# Altium PCB CW521_BallisticGel.PcbDoc (part 1 of 3) (continued)
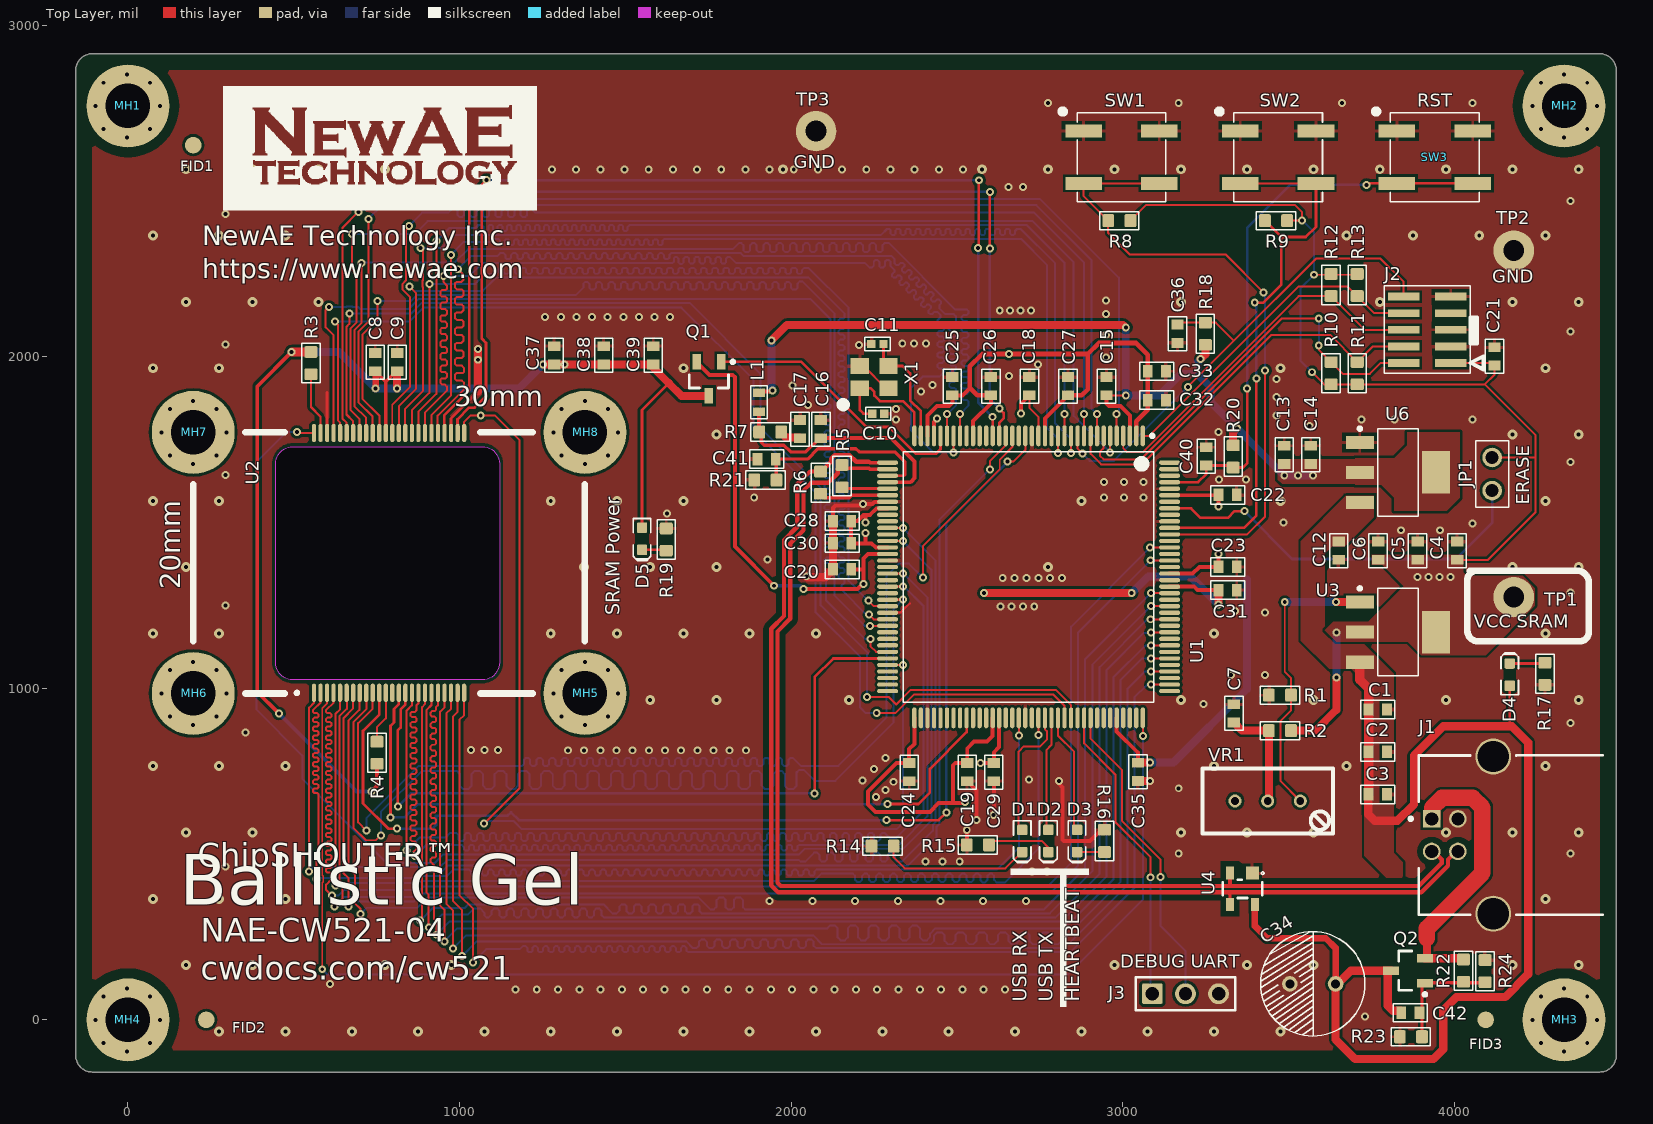
[diagram p0: Top Layer view]
## Footprints (in the part's own frame and the unit in brackets; to place one, negate y for a bottom-side part, rotate by r counter-clockwise, add the part's x,y. Pads: shape width x height; smd on the part's side, far side on the other; paste and mask are expansions set on the pad) (continued)
  silkscreen extent -1.5,-0.7 1.5,0.7, body extent -0.87,-0.47 0.88,0.48, height 0.54
SOT95P245X110-3M [mm] "SOT23, 3-Leads, Body 2.90x2.45mm, Pitch 0.95mm, IPC Low Density"
  rect 1.2x0.65 smd: 1(-1.3,0.95) 2(-1.3,-0.95) 3(1.3,0)
  silkscreen extent -1.42,-1.5 0.7,1.95, body extent -1.3,-1.5 1.3,1.5, height 1.1
SOT143B [mm] "SOT143, 4-Leads, Body 2.92x2.37mm, Pitch 1.90mm, IPC Medium Density"
  rect 1x1 smd: 1(-1.2,0.75)
  rect 1x0.6 smd: 2(-1.2,-0.95) 3(1.2,-0.95) 4(1.2,0.95)
  silkscreen extent -1.3,-1.5 0.7,1.65, body extent -1.18,-1.52 1.18,1.52, height 1.2
SOT-223 [mm] "SOT223, 4-Leads, Body 6.50x7.00mm (avg), Pitch 2.30mm, IPC Medium Density"
  rect 2.15x1 smd: 1(-2.925,2.3) 2(-2.925,0) 3(-2.925,-2.3)
  rect 2.15x3.25 smd: 4(2.925,0)
  silkscreen extent -3.05,-3.35 1.55,3.47, body extent -3.5,-3.35 3.5,3.35, height 1.8
TSSOP-48_0.5 [mm] "TSSOP, 48-Leads, Body 12.00x18.40mm, Pitch 0.50mm, IPC Low Density"
  oval 1.4x0.33 smd paste-0.064: 1(-9.95,5.75) 2(-9.95,5.25) 3(-9.95,4.75) 4(-9.95,4.25) 5(-9.95,3.75) 6(-9.95,3.25) 7(-9.95,2.75) 8(-9.95,2.25) 9(-9.95,1.75) 10(-9.95,1.25) 11(-9.95,0.75) 12(-9.95,0.25) 13(-9.95,-0.25) 14(-9.95,-0.75) 15(-9.95,-1.25) 16(-9.95,-1.75) 17(-9.95,-2.25) 18(-9.95,-2.75) 19(-9.95,-3.25) 20(-9.95,-3.75) 21(-9.95,-4.25) 22(-9.95,-4.75) 23(-9.95,-5.25) 24(-9.95,-5.75) 25(9.95,-5.75) 26(9.95,-5.25) 27(9.95,-4.75) 28(9.95,-4.25) 29(9.95,-3.75) 30(9.95,-3.25) 31(9.95,-2.75) 32(9.95,-2.25) 33(9.95,-1.75) 34(9.95,-1.25) 35(9.95,-0.75) 36(9.95,-0.25) 37(9.95,0.25) 38(9.95,0.75) 39(9.95,1.25) 40(9.95,1.75) 41(9.95,2.25) 42(9.95,2.75) 43(9.95,3.25) 44(9.95,3.75) 45(9.95,4.25) 46(9.95,4.75) 47(9.95,5.25) 48(9.95,5.75)
  silkscreen extent -10.08,6.94 -9.83,7.19, body extent -10,-6.05 10,6.05, height 1.2

## Part data
C1 C2 C3 C4 C5 C7 C9 C13 C14 C17 C33 C37 C38 C39: library part CCHIP-2u2-0603, "2u2, 0603", Case-EIA=0603, Case-Metric=1608, Manufacture 1=Samsung, Manufacture Part Number 1=CL10B225KP8NNNC, Supplier Part Number 1=1276-1134-2-ND, Component Group=Capacitor, Component Type=Standard, Mounting Technology=SMT, Part Number=CCHIP-2u2-0603, Pin Count=2, Supplier 1=Digi-Key
C6 C8 C12 C15 C16 C18 C19 C20 C21 C22 C23 C24 C25 C26 C27 C28 C29 C30 C31 C32 C35 C36 C40 C42: library part CCHIP-100n-0603, "100n, 0603", Case-EIA=0603, Case-Metric=1608, Manufacture 1=Kemet, Manufacture Part Number 1=C0603C104K5RACTU, Rated Voltage=50V, Supplier Part Number 1=399-5089-2-ND, Component Group=Capacitor, Component Type=Standard, Mounting Technology=SMT, Part Number=CCHIP-100n-0603, Pin Count=2, Supplier 1=Digi-Key
C10 C11: library part CCHIP-18p-0402, "18p, 0402", Case-EIA=0402, Manufacture Part Number 1=GRM1555C1H180JA01D, Component Group=Capacitor, Component Type=Standard, Mounting Technology=SMT, Part Number=CCHIP-18p-0402, Pin Count=2
C34: library part Cap_16v_680uF, "Aluminum electrolytic 680uF, 8x16mm, radial", Component Group=Capacitor, Component Type=Standard, Mounting Technology=Through-hole, Part Number=Cap_16v_680uF, Pin Count=2, PP Material Stack=0, PP Rotation=0
C41: library part CCHIP-10p-0603, "10p, 0603", Case-EIA=0603, Case-Metric=1608, Component Group=Capacitor, Component Type=Standard, Mounting Technology=SMT, Part Number=CCHIP-10p-0603, Pin Count=2
D1 D2: library part LEDCHIP_0603_RED, "Chip LED, Red", Manufacture 1=Kingbright, Manufacture Part Number 1=APT1608SRCPRV, Supplier Part Number 1=754-1122-1-ND, Component Group=Optical, Component Type=Standard, Mounting Technology=SMT, Part Number=LEDCHIP_0603_RED, Pin Count=2, PP Material Stack=15, PP Rotation=-90, Supplier 1=Digi-Key
D3 D4 D5: library part LEDCHIP_0603_GREEN, "Chip LED, Green", Manufacture 1=Kingbright, Manufacture Part Number 1=APT1608CGCK, Supplier Part Number 1=754-1116-1-ND, Component Group=Optical, Component Type=Standard, Mounting Technology=SMT, Part Number=LEDCHIP_0603_GREEN, Pin Count=2, PP Material Stack=16, PP Rotation=-90, Supplier 1=Digi-Key
FID1 FID2 FID3: "ROUND FIDUCIAL", Component Group="PCB Feature", Component Type="Standard (No BOM)", Part Number=FIDU-ROUND-1.0MM, Pin Count=0
J1: library part CMP-0397-00002-2, "Single USB 2.0, B Type, Right Angle Jack, Through Hole, RoHS, Tube", Manufacturer="FCI Electronics", Supplier Part Number 1=609-1039-ND, ComponentLink1Description="Manufacturer URL", ComponentLink1URL=http://portal.fciconnect.com/, ComponentLink2Description=Datasheet, ComponentLink2URL=http://portal.fciconnect.com/Comergent//fci/drawing/61729.pdf, ComponentLink3Description="Package Specification", ComponentLink3URL=http://portal.fciconnect.com/Comergent//fci/drawing/61729.pdf, Connector Type=USB-B, DatasheetVersion="Rev. V", Gender=Receptacle, Mounting Technology="Through Hole", Number of Contacts=4, PackageDescription="6-Pin, Through Hole, Body 12.2 x 16 mm", PackageReference=61729-0010BLF, Packing=Tube, PartNumber=61729-0010BLF, RoHS=TRUE, Specifications="USB 2.0", Supplier 1=Digi-Key
J2: library part Cortex_Debug_Header_10Pin, "10 Pin Cortex Program & Debug 0.5mm pitch", Manufacture 1="Samtec Inc", Manufacture Part Number 1=FTSH-105-01-L-DV-007-K, Supplier Part Number 1=SAM9438-ND, Component Group=Connector, Component Type=Standard, Mounting Technology=SMT, Part Number=Cortex_Debug_Header_10Pin, Pin Count=10, PP Material Stack=0, PP Rotation=0, RoHS=Yes, Supplier 1=Digi-Key
J3: library part HDR_3PIN, "1x3 Straight pin header", Manufacture 1="Wurth Electronics Inc.", Manufacture Part Number 1=61300311121, Supplier Part Number 1=732-5316-ND, Component Group=Connector, Component Type=Standard, Mounting Technology=Through-hole, Part Number=HDR_3PIN, Pin Count=3, PP Material Stack=0, PP Rotation=0, RoHS=Yes, Supplier 1=Digi-Key
JP1: library part 2_PIN_JUMPER, "1x2 2.54mm header, male pins", Manufacture 1=Harwin, Manufacture Part Number 1=M20-9990246, Supplier Part Number 1=952-2262-ND, Component Group="PCB Feature", Component Type=Standard, Mounting Technology=Through-hole, Part Number=2_PIN_JUMPER, Pin Count=2, PP Material Stack=0, PP Rotation=0, RoHS=Yes, Supplier 1=Digi-Key
L1: library part 10uH_0603, "FIXED IND 10UH 300MA 600 MOHM", Manufacture 1=TDK, Manufacture Part Number 1=MLZ1608N100LT000, Supplier Part Number 1=445-6755-1-ND, Component Group=Inductor, Component Type=Standard, Mounting Technology=SMT, Part Number=10uH_0603, Pin Count=2, PP Material Stack=0, PP Rotation=0, RoHS=Yes, Supplier 1=Digi-Key
MH1 MH2 MH3 MH4 MH5 MH6 MH7 MH8: library part M5_Mounting_Hole, "Machine screw #5 plated mounting hole", Component Group=Mechanical, Component Type=Mechanical, Part Number=M5_Mounting_Hole, Pin Count=1, PP Material Stack=0, PP Rotation=0
Q1 Q2: "P-Channel, 3A, Logic Level", Manufacture 1="Diodes Inc.", Supplier Part Number 1=DMP2123LQ-7DICT-ND, Component Group=MOSFET, Component Type=Standard, Manufacture Part Number 1=DMP2123LQ-7, Mounting Technology=SMT, Part Number=DMP2123LQ-7, Pin Count=3, Supplier 1=Digi-Key
R1: library part RCHIP-160R-0603, "160R res, 0603, 1%, 1/10W", Case-EIA=0603, Case-Metric=1608, Manufacture 1=Yageo, Manufacture Part Number 1=RC0603FR-07160RL, Rated Power=0.1W, Rated Voltage=75VDC, Supplier Part Number 1=311-160HRCT-ND, Temperature Range="-55C to 155C", Tolerance=1%, Component Group=Resistor, Component Type=Standard, Mounting Technology=SMT, Part Number=RCHIP-160R-0603, Pin Count=2, Supplier 1=Digi-Key
R2: library part RCHIP-100R-0603, "100R res, 0603, 1%, 1/10W", Case-EIA=0603, Case-Metric=1608, Manufacture 1=Yageo, Manufacture Part Number 1=RC0603FR-07100RL, Rated Power=0.1W, Rated Voltage=75VDC, Supplier Part Number 1=311-100HRCT-ND, Temperature Range="-55C to 155C", Tolerance=1%, Component Group=Resistor, Component Type=Standard, Mounting Technology=SMT, Part Number=RCHIP-100R-0603, Pin Count=2, Supplier 1=Digi-Key
R3 R4: library part RCHIP-1K-0603, "1k res, 0603, 1%, 1/10W", Case-EIA=0603, Case-Metric=1608, Manufacture 1=Yageo, Manufacture Part Number 1=RC0603FR-071KL, Rated Power=0.1W, Rated Voltage=75VDC, Supplier Part Number 1=311-1.00KHRCT-ND, Temperature Range="-55C to 155C", Tolerance=1%, Component Group=Resistor, Component Type=Standard, Mounting Technology=SMT, Part Number=RCHIP-1K-0603, Pin Count=2, Supplier 1=Digi-Key
R5 R6: library part RCHIP-39R-0603, "39R res, 0603, 1%, 1/10W", Case-EIA=0603, Case-Metric=1608, Manufacture 1=Yageo, Manufacture Part Number 1=RC0603FR-0739RL, Rated Power=0.1W, Rated Voltage=75VDC, Supplier Part Number 1=311-39.0HRCT-ND, Temperature Range="-55C to 155C", Tolerance=1%, Component Group=Resistor, Component Type=Standard, Mounting Technology=SMT, Part Number=RCHIP-39R-0603, Pin Count=2, Supplier 1=Digi-Key
R7: library part RCHIP-1R0-0603, "1R0 res, 0603, 1%, 1/10W", Case-EIA=0603, Case-Metric=1608, Manufacture 1=Yageo, Manufacture Part Number 1=RC0603FR-071RL, Rated Power=0.1W, Rated Voltage=75VDC, Supplier Part Number 1=311-1.00HRCT-ND, Temperature Range="-55C to 155C", Tolerance=1%, Component Group=Resistor, Component Type=Standard, Mounting Technology=SMT, Part Number=RCHIP-1R0-0603, Pin Count=2, Supplier 1=Digi-Key
R8 R9 R18 R20 R23 R24: library part RCHIP-10K-0603, "10k res, 0603, 1%, 1/10W", Case-EIA=0603, Case-Metric=1608, Manufacture 1=Yageo, Manufacture Part Number 1=RC0603FR-0710KL, Rated Power=0.1W, Rated Voltage=75VDC, Supplier Part Number 1=311-10.0KHRCT-ND, Temperature Range="-55C to 155C", Tolerance=1%, Component Group=Resistor, Component Type=Standard, Mounting Technology=SMT, Part Number=RCHIP-10K-0603, Pin Count=2, Supplier 1=Digi-Key
R10 R11 R12 R13 R22: library part RCHIP-100K-0603, "100k res, 0603, 1%, 1/10W", Case-EIA=0603, Case-Metric=1608, Manufacture 1=Yageo, Manufacture Part Number 1=RC0603FR-07100KL, Rated Power=0.1W, Rated Voltage=75VDC, Supplier Part Number 1=311-100KHRCT-ND, Temperature Range="-55C to 155C", Tolerance=1%, Component Group=Resistor, Component Type=Standard, Mounting Technology=SMT, Part Number=RCHIP-100K-0603, Pin Count=2, Supplier 1=Digi-Key
R14 R15 R16 R19: library part RCHIP-220R-0603, "220R res, 0603, 1%, 1/10W", Case-EIA=0603, Case-Metric=1608, Manufacture 1=Yageo, Manufacture Part Number 1=RC0603FR-07220RL, Rated Power=0.1W, Rated Voltage=75VDC, Supplier Part Number 1=311-220HRCT-ND, Temperature Range="-55C to 155C", Tolerance=1%, Component Group=Resistor, Component Type=Standard, Mounting Technology=SMT, Part Number=RCHIP-220R-0603, Pin Count=2, Supplier 1=Digi-Key
R17: library part RCHIP-330R-0603, "330R res, 0603, 1%, 1/10W", Case-EIA=0603, Case-Metric=1608, Manufacture 1=Yageo, Manufacture Part Number 1=RC0603FR-07330RL, Rated Power=0.1W, Rated Voltage=75VDC, Supplier Part Number 1=311-330HRCT-ND, Temperature Range="-55C to 155C", Tolerance=1%, Component Group=Resistor, Component Type=Standard, Mounting Technology=SMT, Part Number=RCHIP-330R-0603, Pin Count=2, Supplier 1=Digi-Key
R21: library part RCHIP-6K8-0603, "6k8 res, 0603, 1%, 1/10W", Case-EIA=0603, Case-Metric=1608, Manufacture 1=Yageo, Manufacture Part Number 1=RC0603FR-076K8L, Rated Power=0.1W, Rated Voltage=75VDC, Supplier Part Number 1=311-6.80KHRCT-ND, Temperature Range="-55C to 155C", Tolerance=1%, Component Group=Resistor, Component Type=Standard, Mounting Technology=SMT, Part Number=RCHIP-6K8-0603, Pin Count=2, Supplier 1=Digi-Key
SW1 SW2 SW3: library part TACTSW-KSC741J, "SWITCH TACTILE SPST-NO 0.01A 32V", Manufacture 1=C&K, Supplier Part Number 1=CKN10309CT-ND, Component Group=Switch, Component Type=Standard, Manufacture Part Number 1="KSC741J LFS", Mounting Technology=SMT, Part Number=TACTSW-KSC741J, Pin Count=4, PP Material Stack=0, PP Rotation=0, RoHS=Yes, Supplier 1=Digi-Key
TP1: library part KEYSTONE_5008, "TEST POINT PC COMPACT .063\"D ORG", Supplier Part Number 1=36-5008-ND, Component Group="Test Point", Component Type=Standard, Mounting Technology=Through-hole, Part Number=KEYSTONE_5008, Pin Count=1, Supplier 1=Digi-Key
TP2 TP3: library part KEYSTONE_5011, "TEST POINT PC MULTI PURPOSE BLK", Supplier Part Number 1=36-5011-ND, Component Group="Test Point", Component Type=Standard, Mounting Technology=Through-hole, Part Number=KEYSTONE_5011, Pin Count=1, Supplier 1=Digi-Key
U1: "IC MCU 32BIT 256KB FLASH 144LQFP", Manufacture 1=Microchip, Manufacture Part Number 1="ATSAM3U4EA-AU / ATSAM3U4EA-AU", Supplier Part Number 1=ATSAM3U4EA-AU-ND, Component Group="Digital IC", Component Type=Standard, Mounting Technology=SMT, Part Number=SAM3U4E, Pin Count=144, PP Material Stack=0, PP Rotation=0, RoHS=Yes, Supplier 1=Digi-Key
U2: library part AS6C3216, "IC SRAM 32MBIT 55NS 48TSSOP", Manufacture 1="Alliance Memory", Part Number=AS6C3216A, Component Group="Digital IC", Component Type=Standard, Manufacture Part Number 1=AS6C3216A-55TIN, Mounting Technology=SMT, Pin Count=48, PP Material Stack=0, PP Rotation=0, RoHS=Yes, Supplier 1=Digi-Key
U3: library part LD1117SC-R, "IC REG LIN POS ADJ 800MA SOT223", Manufacture 1=STMicroelectronics, Rated Voltage=15V, Supplier Part Number 1=497-4241-1-ND, Component Group="Analog IC", Component Type=Standard, Manufacture Part Number 1=LD1117SC-R, Mounting Technology=SMT, Part Number=LD1117SC-R, Pin Count=3, PP Material Stack=0, PP Rotation=0, RoHS=Yes, Supplier 1=Digi-Key
U4: "USB 2.0 high-speed ESD", Supplier Part Number 1=568-7445-1-ND, Component Group=Diode, Component Type=Standard, Part Number=PRTR5V0U2AX, Pin Count=4, Supplier 1=Digi-Key
U6: library part LD1117S33, "IC REG LIN POS 3.3V 800MA SOT223", Manufacture 1=STMicroelectronics, Manufacture 2=Linear, Manufacture Part Number 1=LD1117S33TR, Manufacture Part Number 2=LT1117CST-3.3#PBF, Rated Voltage=15V, Supplier Part Number 1=497-1242-1-ND, Component Group="Analog IC", Component Type=Standard, Mounting Technology=SMT, Part Number=LD1117S33, Pin Count=3, PP Material Stack=0, PP Rotation=0, RoHS=Yes, Supplier 1=Digi-Key, Supplier 2=Digi-Key, Supplier Part Number 2=LT1117CST-3.3#PBF-ND
VR1: library part CT94EW201, "200R, 18 turn, 0.5W", Manufacture 1="Nidec Copal Electronics", Supplier Part Number 1=CT94EW201-ND, Component Group=Resistor, Component Type=Standard, Manufacture Part Number 1=CT94EW201, Mounting Technology=Through-hole, Part Number=CT94EW201, Pin Count=3, PP Material Stack=0, PP Rotation=0, Supplier 1=Digi-Key
X1: library part ABM8G, "CRYSTAL 12.0000MHZ 10PF SMD", Manufacture 1="Abracon LLC", Manufacture Part Number 1=ABM8G-12.000MHZ-4Y-T3, Supplier Part Number 1=535-10901-1-ND, Component Group=Crystal, Component Type=Standard, Mounting Technology=SMT, Part Number=ABM8G, Pin Count=4, PP Material Stack=0, PP Rotation=0, RoHS=Yes, Supplier 1=Digi-Key

## Via types
v1: diameter 24, hole 12, Top Layer to Bottom Layer, tented both sides, 327 vias
v2: diameter 30, hole 12, Top Layer to Bottom Layer, tented both sides, 113 vias
v3: diameter 24, hole 12, Top Layer to Bottom Layer, 2 vias

## Nets (pads, with @x,y where several pads share a name; then routed paths per layer and width w, separated by ;. In a path a pad name is that pad's centre, name@x,y a point inside that pad or via, vN(x,y) a via of type N, cw(c..) or ccw(c..) an arc to the next point about the centre after c; other vN are vias at no path point)
+1v8: C25.1 C26.1 C27.1 C28.1 C29.1 C30.1 C31.1 C32.1 C33.1 U1.2 U1.16 U1.27 U1.34 U1.44 U1.50 U1.86 U1.125 | length 3191.7
  Top Layer w12: v1(2224.41,1468.5) 2224.41,1437.01 ; v1(2224.41,1500) 2224.41,1516.08 ; U1.50@2290.83,1424.49 2255.44,1424.49 2242.92,1437.01 2224.41,1437.01 ; U1.44@2290.83,1542.6 2257.72,1542.6 2237.02,1521.91 2224.41,1521.91 ; U1.34@2410.91,1761.1 2410.91,1821.79 2440.02,1850.91 2476.02,1850.91 2486.02,1860.91 C25.1@2486.02,1883.35 2516.46,1883.35 2539.02,1905.91 ; U1.27@2548.7,1761.1 2548.7,1805.58 2602.27,1859.16 C26.1@2602.27,1883.35 ; v1(2571.58,774.46) C29.1@2611.02,774.46 2611.02,806.91 2627.44,823.32 U1.86@2627.44,910.71 ; U1.16@2765.24,1761.1 2765.24,1813.81 C27.1@2834.77,1883.35 ; U1.125@3141.22,1306.38 3215.55,1306.38 3226.02,1295.91 C31.1@3288.46,1295.91 ; 2218.58,1521.91 2224.41,1521.91 ; 2218.58,1521.91 2224.41,1516.08 ; 2218.58,1521.91 2200.61,1503.94 C28.1@2181.1,1503.94 C30.1@2181.1,1437.01 2224.41,1437.01 ; 2224.41,1516.08 2224.41,1521.91
  Top Layer w14: C26.1@2602.27,1883.35 2561.58,1883.35 2539.02,1905.91 2539.02,1970.91 2576.02,2007.91 v1(2657.02,2007.91) 2894.02,2007.91 ; C27.1@2834.77,1883.35 2876.46,1883.35 2894.02,1900.91 2894.02,2007.91 ; U1.2@3040.83,1761.1 3040.83,1804.71 3075.46,1839.35 C32.1@3075.46,1868.91 C33.1@3075.46,1955.91 3075.46,2005.46 3040.02,2040.91 2927.02,2040.91 2894.02,2007.91
  Top Layer w24: v1(2581.58,1286.91) v1(3027.02,1286.91) ; v1(3288.46,1252.35) C31.1@3288.46,1295.91
  Bottom Layer w24: v1(3027.02,1286.91) 3077.02,1336.91 3203.91,1336.91 v1(3288.46,1252.35)
+3v3: C13.1 C14.1 C15.1 L1.1 R18.1 R20.1 U1.3 U6.2 U6.4 | length 2619.4
  Top Layer w6: L1.1@1901.65,1891.76 L1.1@1902.65,1890.76 ; C15.1@2951.02,1883.35 v1(3009.02,1883.35)
  Top Layer w12: L1.1@1902.65,1890.76 1907.09,1895.19 1940.77,1895.19 v1(1943.07,1897.49) ; C15.1@2951.02,1883.35 2951.02,1857.91 2958.35,1850.58 2993.35,1850.58 3021.14,1822.79 U1.3@3021.14,1761.1
  Top Layer w24: v1(1940.02,2048.91) 1987.02,2095.91 3001.02,2095.91 v1(3009.02,2087.91) ; v1(3235,1993) 3249,2007 R18.1@3249,2035.54 ; R20.1@3333,1732.46 3333,1773 v1(3344,1784)
  Bottom Layer w24: v1(1940.02,2048.91) 1941.02,2047.91 v1@1941.02,1899.61 ; v1(3009.02,2087.91) v1(3009.02,1883.35) 3110.46,1883.35 3175.02,1947.91 3225.02,1947.91 ; v1(3235,1993) 3225.02,1983.02 3225.02,1947.91 ; v1(3344,1784) v1@3345,1784 ; v1(3573.02,1640.91) v1(3529.02,1640.91) v1(3487.02,1640.91) 3265.02,1862.91 3265.02,1907.91 3225.02,1947.91
+3v3USB: C16.1 L1.2 R7.1 U1.40 | length 751
  Top Layer w10: R7.1@1903.35,1772.5 1909.45,1766.4 1909.45,1742.13 1919.29,1732.28 1978.35,1732.28 1998.03,1712.6 2044.36,1712.6 2085.79,1754.04 C16.1@2089.73,1754.04 ; U1.40@2290.83,1621.34 2359.53,1621.34 2362.2,1624.02
  Top Layer w12: L1.2@1902.65,1833.28 1903.35,1832.58 R7.1@1903.35,1772.5 ; C16.1@2089.73,1754.04 2301.08,1754.04 2372.05,1683.07 2372.05,1633.86 2362.2,1624.02
+5v: C1.1 C2.1 C3.1 C12.1 C34.1 C42.1 D4.A Q2.3 U3.3 U4.4 U6.3 | length 3751.3
  Top Layer w8: D4.A@4167,1007.54 4167,892.06 4173.74,885.31
  Top Layer w20: U4.4@3398.43,347.66 3398.43,282.68 3435.04,246.06 3612.2,246.06 3641.73,216.54 C34.1@3641.73,108.27
  Top Layer w25: C3.1@3741.46,679.91 3740.16,678.6 3740.16,620.08 3759.84,600.39 3828.74,600.39 3877.95,649.61 3877.95,797.24 3966.02,885.31 4173.74,885.31 4222.44,836.61 4222.44,137.8 4153.54,68.9 4005.91,68.9 3966.54,29.53 3966.54,-88.58 3937.01,-118.11 3700.79,-118.11 3641.73,-59.06 C34.1@3641.73,108.27 3647.75,108.27 3687.87,148.39 Q2.3@3808.88,148.39 3799.51,148.39 3799.21,148.1 3799.21,42.32 3813.86,27.67 3837.53,27.67 3839.8,25.41 C42.1@3839.8,21.47
  Top Layer w28: U3.3@3714.87,1078.35 3714.87,1025.13 3741.46,998.54 C1.1@3741.46,935.91 C2.1@3741.46,807.91 C3.1@3741.46,679.91
+ADJ: C4.1 C5.1 C6.1 C18.1 C19.1 C20.1 C21.1 C22.1 C23.1 C24.1 C35.1 J2.1 JP1.1 Q1.2 R2.1 R8.1 R9.1 R10.1 R11.1 R12.1 R13.1 TP1.1 U1.17 U1.51 U1.73 U1.85 U1.104 U1.127 U1.139 U3.2 U3.4 | length 7049.3
  Top Layer w6: C18.1@2718.52,1883.35 2718.52,1845.41 2745.55,1818.38 U1.17@2745.55,1761.1 ; R8.1@3023.09,2409.91 3071.09,2457.91 3519.02,2457.91 3541.02,2435.91 v1(3541.02,2410.91) 3496.59,2410.91 R9.1@3495.59,2409.91 ; v1(3571.02,1952.91) 3607.49,1916.44 R10.1@3628.36,1916.44 R11.1@3707.02,1916.44 4091.56,1916.44 ; v1(3577.02,2246.91) 3704.56,2246.91 R13.1@3707.02,2249.37 ; J2.1@3989.02,1980.91 4113.46,1980.91 C21.1@4121.02,1973.35 4121.02,1945.91 4091.56,1916.44 ; C4.1@4008.13,1387.35 4101.46,1387.35 4244.02,1529.91 4244.02,1696.91 ; JP1.1@4114.02,1695.91 4243.02,1695.91 4244.02,1696.91 ; 4091.56,1916.44 4244.02,1763.98 4244.02,1696.91
  Top Layer w12: Q1.2@1714.6,1984.18 1753.78,1945 1823.68,1945 1830.71,1937.97 1830.71,1427.17 v3(1948.82,1309.06) ; v3(2037.4,1299.21) 2200.08,1299.21 2215.34,1314.46 v1(2218.58,1314.46) 2218.58,1362.91 ; C20.1@2181.1,1358.27 2213.94,1358.27 2218.58,1362.91 ; U1.51@2290.83,1404.8 2231.92,1404.8 2218.58,1391.46 2218.58,1362.91 ; U1.73@2371.54,910.71 2371.54,832.42 2356.02,816.91 C24.1@2356.02,774.46 2317.77,774.46 2232.02,688.72 2232.02,649.35 2254.46,626.91 2418.24,626.91 2444.88,653.54 2488.19,653.54 ; v1(2523.62,657.48) 2523.62,653.54 2488.19,653.54 ; U1.85@2607.76,910.71 2607.76,855.64 2591.02,838.91 2551.02,838.91 2531.02,818.91 C19.1@2531.02,774.46 2494.94,774.46 2488.19,767.72 2488.19,653.54 ; v1(2693.02,1827.91) 2693.02,1857.85 C18.1@2718.52,1883.35 ; U1.104@2981.77,910.71 2981.77,870.16 3046.46,805.46 C35.1@3046.46,775.91 ; U1.127@3141.22,1345.75 3210.87,1345.75 3231.02,1365.91 C23.1@3288.46,1365.91 v1(3288.46,1404.91) ; U1.139@3141.22,1581.97 3287.53,1581.97 C22.1@3288.46,1582.91 v1(3288.46,1547.46)
  Top Layer w24: C35.1@3046.02,775.46 3046.46,775.91 v1(3082.02,775.91) ; R2.1@3507.49,871.91 3581.02,871.91 3644.02,934.91 v1(3644.02,1032.91)
  Bottom Layer w6: v1(3541.02,2410.91) 3577.02,2374.91 v1(3577.02,2246.91) 3536.02,2205.91 3536.02,1987.91 v1(3571.02,1952.91)
  Bottom Layer w12: v3(1948.82,1309.06) 2027.56,1309.06 v3(2037.4,1299.21)
  Bottom Layer w24: v1(3082.02,775.91) 3153.02,775.91 3374.02,996.91 3374.02,1327.91 ; v1(3644.02,1032.91) v1(3644.02,1167.91)
  other v1: 3889.1,1334.83 3922.02,1334.91 3955.02,1334.91 3988.02,1334.91
+ADJTarget: C8.1 C9.1 C37.1 C38.1 C39.1 D5.A Q1.3 R3.1 R4.1 U2.37 | length 3942.5
  Top Layer w8: D5.A@1550.24,1484.2 1550.24,1839.24 1631,1920
  Top Layer w10: C8.1@745.91,1955.98 747,1954.89 777.56,1924.33 ; U2.37@777.56,1769.69 777.56,1924.33 ; C9.1@811.91,1955.98 808.98,1955.98 777.56,1924.56 777.56,1924.33
  Top Layer w12: v1(454.91,923.54) 389.91,988.54 389.91,1910.46 v1(493.45,2014) ; v1(734.91,688.54) 750.91,704.54 R4.1@750.91,772.07
  Top Layer w20: v1(747,1904) C8.1@747,1954.89
  Top Layer w24: v1(811.91,1904.54) C9.1@811.91,1955.98 ; v1(1252.02,1976.91) v1(1316.02,1976.91) 1574.09,1976.91 1631,1920 1669.18,1881.82 Q1.3@1752,1881.82
  Top Layer w26: v1(493.45,2014) R3.1@551.91,2014
  Bottom Layer w12: v1(454.91,923.54) 689.91,688.54 v1(734.91,688.54)
  Bottom Layer w24: v1(493.45,2014) 637,2014 v1(747,1904) 811.38,1904 v1(811.91,1904.54) 1179.65,1904.54 v1(1252.02,1976.91) v1(1316.02,1976.91)
A1: U1.68 U2.25 | length 3244.2
  Top Layer w6: U2.25@1010.91,1773.27 1014,1776.35 1014,1803 1033.54,1822.54 v1(1063.91,1822.54) 1106.46,1822.54 1181.1,1747.9 1181.1,699.1 v1(1074,592) ; U1.68@2290.83,1070.16 2336.77,1070.16 v1(2337.02,1069.91)
  Bottom Layer w6: v1(1074,592) 1081.91,599.91 1162.64,599.91 1187.64,574.91 2318.02,574.91 2337.02,593.91 v1(2337.02,1069.91)
A2: U1.110 U2.24 | length 4004.6
  Top Layer w6: U2.24@1013.78,986.22 1013.78,918.78 999.29,904.29 999.29,376.16 1040.91,334.54 v1(1040.91,173.54) ; v1(3085.59,1011.1) U1.110@3141.22,1011.1
  Bottom Layer w6: v1(1040.91,173.54) 1080.28,212.91 1182.02,212.91 1191.02,221.91 1199.02,221.91 1205.02,215.91 1205.02,207.91 1209.02,203.91 1216.02,203.91 1220.02,207.91 1220.02,216.91 1225.02,221.91 1231.02,221.91 1236.02,216.91 1236.02,208.91 1241.02,203.91 1247.02,203.91 1252.02,208.91 1252.02,216.91 1257.02,221.91 1263.02,221.91 1268.02,216.91 1268.02,208.91 1273.02,203.91 1279.02,203.91 1284.02,208.91 1284.02,216.91 1289.02,221.91 1295.02,221.91 1300.02,216.91 1300.02,208.91 1305.02,203.91 1311.02,203.91 1316.02,208.91 1316.02,216.91 1321.02,221.91 1327.02,221.91 1332.02,216.91 1332.02,208.91 1337.02,203.91 1343.02,203.91 1348.02,208.91 1348.02,216.91 1353.02,221.91 1359.02,221.91 1364.02,216.91 1364.02,208.91 1369.02,203.91 1375.02,203.91 1380.02,208.91 1380.02,216.91 1385.02,221.91 1391.02,221.91 1396.02,216.91 1396.02,208.91 1401.02,203.91 1407.02,203.91 1412.02,208.91 1412.02,216.91 1417.02,221.91 1423.02,221.91 1428.02,216.91 1428.02,208.91 1433.02,203.91 1439.02,203.91 1444.02,208.91 1444.02,216.91 1449.02,221.91 1455.02,221.91 1460.02,216.91 1460.02,208.91 1465.02,203.91 1471.02,203.91 1476.02,208.91 1476.02,216.91 1481.02,221.91 1487.02,221.91 1492.02,216.91 1492.02,208.91 1497.02,203.91 1503.02,203.91 1508.02,208.91 1508.02,216.91 1513.02,221.91 1519.02,221.91 1524.02,216.91 1524.02,208.91 1529.02,203.91 1535.02,203.91 1540.02,208.91 1540.02,216.91 1545.02,221.91 1551.02,221.91 1556.02,216.91 1556.02,208.91 1561.02,203.91 1567.02,203.91 1572.02,208.91 1572.02,216.91 1577.02,221.91 1583.02,221.91 1588.02,216.91 1588.02,208.91 1593.02,203.91 1599.02,203.91 1604.02,208.91 1604.02,216.91 1609.02,221.91 1615.02,221.91 1620.02,216.91 1620.02,208.91 1625.02,203.91 1631.02,203.91 1636.02,208.91 1636.02,216.91 1641.02,221.91 1647.02,221.91 1652.02,216.91 1652.02,208.91 1657.02,203.91 1663.02,203.91 1668.02,208.91 1668.02,216.91 1673.02,221.91 1679.02,221.91 1684.02,216.91 1684.02,208.91 1689.02,203.91 2841.31,203.91 3035.02,397.62 3035.02,972.91 3073.22,1011.1 v1(3085.59,1011.1)
A3: U1.112 U2.23 | length 3962.9
  Top Layer w6: U2.23@994.09,986.22 994.09,929.09 979.61,914.61 979.61,358.84 1007.91,330.54 v1(1007.91,192.54) ; v1(3085.59,1050.47) U1.112@3141.22,1050.47
  Bottom Layer w6: v1(1007.91,192.54) 1052.28,236.91 1683.02,236.91 1704.02,215.91 1714.02,215.91 1722.02,223.91 1722.02,234.91 1730.02,242.91 1738.02,242.91 1746.02,234.91 1746.02,222.91 1753.02,215.91 1762.02,215.91 1769.02,222.91 1769.02,235.91 1776.02,242.91 1785.02,242.91 1792.02,235.91 1792.02,222.91 1799.02,215.91 1808.02,215.91 1815.02,222.91 1815.02,235.91 1822.02,242.91 1831.02,242.91 1838.02,235.91 1838.02,222.91 1845.02,215.91 1854.02,215.91 1861.02,222.91 1861.02,235.91 1868.02,242.91 1877.02,242.91 1884.02,235.91 1884.02,222.91 1891.02,215.91 1900.02,215.91 1907.02,222.91 1907.02,235.91 1914.02,242.91 1923.02,242.91 1930.02,235.91 1930.02,222.91 1937.02,215.91 1946.02,215.91 1953.02,222.91 1953.02,235.91 1960.02,242.91 1969.02,242.91 1976.02,235.91 1976.02,222.91 1983.02,215.91 1992.02,215.91 1999.02,222.91 1999.02,235.91 2006.02,242.91 2015.02,242.91 2022.02,235.91 2022.02,222.91 2029.02,215.91 2038.02,215.91 2045.02,222.91 2045.02,235.91 2052.02,242.91 2061.02,242.91 2068.02,235.91 2068.02,222.91 2075.02,215.91 2823.61,215.91 3014.02,406.32 3014.02,997.6 3066.89,1050.47 v1(3085.59,1050.47)
A4: U1.114 U2.22 | length 3989.3
  Top Layer w6: U2.22@974.41,986.22 974.41,938.41 959.92,923.92 959.92,349.53 979.61,329.84 v1(979.61,214.54) ; v1(3085.59,1089.84) U1.114@3141.22,1089.84
  Bottom Layer w6: v1(979.61,214.54) 1019.98,254.91 2065.99,254.91 2092.99,227.91 2421.02,227.91 2431.02,237.91 2431.02,254.91 2440.02,263.91 2454.02,263.91 2463.02,254.91 2463.02,237.91 2473.02,227.91 2485.02,227.91 2495.02,237.91 2495.02,254.91 2504.02,263.91 2518.02,263.91 2527.02,254.91 2527.02,237.91 2537.02,227.91 2549.02,227.91 2559.02,237.91 2559.02,254.91 2568.02,263.91 2582.02,263.91 2591.02,254.91 2591.02,237.91 2601.02,227.91 2613.02,227.91 2623.02,237.91 2623.02,254.91 2632.02,263.91 2646.02,263.91 2655.02,254.91 2655.02,237.91 2665.02,227.91 2677.02,227.91 2687.02,237.91 2687.02,254.91 2696.02,263.91 2710.02,263.91 2719.02,254.91 2719.02,236.91 2728.02,227.91 2742.02,227.91 2751.02,236.91 2751.02,254.91 2760.02,263.91 2773.02,263.91 2782.02,254.91 2782.02,236.91 2791.02,227.91 2805.91,227.91 2993.02,415.02 2993.02,1023.91 3058.96,1089.84 v1(3085.59,1089.84)
A5: U1.116 U2.21 | length 4008.6
  Top Layer w6: v1(953.91,236.54) 953.91,332.17 941.55,344.54 941.55,929.55 954.72,942.72 U2.21@954.72,986.22 ; v1@3082.72,1129.21 v1(3085.59,1129.21) U1.116@3141.22,1129.21
  Bottom Layer w6: v1(953.91,236.54) 993.28,275.91 2109.02,275.91 2118.02,284.91 2131.02,284.91 2140.02,275.91 2140.02,248.91 2149.02,239.91 2162.02,239.91 2171.02,248.91 2171.02,275.91 2180.02,284.91 2193.02,284.91 2202.02,275.91 2202.02,248.91 2211.02,239.91 2224.02,239.91 2233.02,248.91 2233.02,275.91 2242.02,284.91 2255.02,284.91 2264.02,275.91 2264.02,248.91 2273.02,239.91 2286.02,239.91 2295.02,248.91 2295.02,275.91 2304.02,284.91 2317.02,284.91 2326.02,275.91 2326.02,248.91 2335.02,239.91 2348.02,239.91 2357.02,248.91 2357.02,275.91 2366.02,284.91 2379.02,284.91 2388.02,275.91 2388.02,248.91 2397.02,239.91 2409.02,239.91 2419.02,249.91 2419.02,259.88 2435.05,275.91 2824.21,275.91 2972.02,423.72 2972.02,1032.6 3068.63,1129.21 v1@3082.72,1129.21
A6: U1.118 U2.20 | length 3999.9
  Top Layer w6: v1(929.91,256.54) 929.91,297.54 922.91,304.54 922.91,466.49 912.87,476.54 912.87,484.49 917.91,489.54 925.55,489.54 929.55,493.54 929.55,501.49 924.5,506.54 916.87,506.54 912.87,510.54 912.87,518.49 917.91,523.54 925.55,523.54 929.55,527.54 929.55,535.49 924.5,540.54 916.87,540.54 912.87,544.54 912.87,552.49 917.91,557.54 925.55,557.54 929.55,561.54 929.55,569.49 924.5,574.54 916.87,574.54 912.87,578.54 912.87,586.49 917.91,591.54 925.55,591.54 929.55,595.54 929.55,603.49 924.5,608.54 916.87,608.54 912.87,612.54 912.87,620.49 917.91,625.54 925.55,625.54 929.55,629.54 929.55,637.49 924.5,642.54 916.87,642.54 912.87,646.54 912.87,654.49 917.91,659.54 925.55,659.54 929.55,663.54 929.55,671.49 924.5,676.54 916.87,676.54 912.87,680.54 912.87,688.49 917.91,693.54 925.55,693.54 929.55,697.54 929.55,705.49 924.5,710.54 916.87,710.54 912.87,714.54 912.87,722.49 917.91,727.54 925.55,727.54 929.55,731.54 929.55,739.49 924.5,744.54 916.87,744.54 912.87,748.54 912.87,756.49 917.91,761.54 925.55,761.54 929.55,765.54 929.55,773.49 924.5,778.54 916.87,778.54 912.87,782.54 912.87,790.49 917.91,795.54 925.55,795.54 929.55,799.54 929.55,807.49 924.5,812.54 916.87,812.54 912.87,816.54 912.87,824.49 917.91,829.54 925.55,829.54 929.55,833.54 929.55,841.49 924.5,846.54 916.87,846.54 912.87,850.54 912.87,858.49 917.91,863.54 925.55,863.54 929.55,867.54 929.55,875.49 924.5,880.54 916.87,880.54 912.87,884.54 912.87,892.49 917.91,897.54 925.55,897.54 929.55,901.54 929.55,909.49 924.5,914.54 916.87,914.54 912.87,918.54 912.87,926.49 917.91,931.54 925.55,931.54 929.55,935.54 929.55,943.49 935.04,948.98 U2.20@935.04,986.22 ; v1(3085.59,1168.58) U1.118@3141.22,1168.58
  Bottom Layer w6: v1(929.91,256.54) 970.28,296.91 2815.52,296.91 2951.02,432.41 2951.02,1054.91 3063.02,1166.91 v1@3086.02,1166.91
A7: U1.120 U2.19 | length 4025.8
  Top Layer w6: v1@906.91,278.54 906.91,377.54 900.87,383.58 900.87,934.87 915.35,949.35 U2.19@915.35,986.22 ; v1(3084.07,1207.95) U1.120@3141.22,1207.95
  Bottom Layer w6: v1(907.91,278.54) 947.28,317.91 1026.02,317.91 1044.02,335.91 1062.02,335.91 1075.02,322.91 1075.02,314.91 1081.02,308.91 1088.02,308.91 1097.02,317.91 1097.02,328.91 1104.02,335.91 1113.02,335.91 1120.02,328.91 1120.02,315.91 1127.02,308.91 1135.02,308.91 1142.02,315.91 1142.02,328.91 1149.02,335.91 1157.02,335.91 1164.02,328.91 1164.02,315.91 1171.02,308.91 1179.02,308.91 1186.02,315.91 1186.02,328.91 1193.02,335.91 1201.02,335.91 1208.02,328.91 1208.02,315.91 1215.02,308.91 1223.02,308.91 1230.02,315.91 1230.02,328.91 1237.02,335.91 1245.02,335.91 1252.02,328.91 1252.02,315.91 1259.02,308.91 1267.02,308.91 1274.02,315.91 1274.02,328.91 1281.02,335.91 1289.02,335.91 1296.02,328.91 1296.02,315.91 1303.02,308.91 1311.02,308.91 1318.02,315.91 1318.02,328.91 1325.02,335.91 1333.02,335.91 1340.02,328.91 1340.02,315.91 1347.02,308.91 1355.02,308.91 1362.02,315.91 1362.02,328.91 1369.02,335.91 1377.02,335.91 1384.02,328.91 1384.02,315.91 1391.02,308.91 1399.02,308.91 1406.02,315.91 1406.02,328.91 1413.02,335.91 1421.02,335.91 1428.02,328.91 1428.02,315.91 1435.02,308.91 2797.82,308.91 2930.02,441.11 2930.02,1063.6 3074.37,1207.95 v1(3084.07,1207.95)
A8: U1.122 U2.18 | length 3970.6
  Top Layer w6: v1(881.18,299.27) 887,305.09 887,943 895.67,951.67 U2.18@895.67,986.22 ; v1(3084.44,1247.32) U1.122@3141.22,1247.32
  Bottom Layer w6: v1(881.18,299.27) 919.82,337.91 1016.33,337.91 1026.33,347.91 1434.02,347.91 1461.02,320.91 1474.02,320.91 1483.02,329.91 1483.02,341.91 1489.02,347.91 1498.02,347.91 1504.02,341.91 1504.02,326.91 1510.02,320.91 1520.02,320.91 1526.02,326.91 1526.02,341.91 1532.02,347.91 1542.02,347.91 1548.02,341.91 1548.02,326.91 1554.02,320.91 1564.02,320.91 1570.02,326.91 1570.02,341.91 1576.02,347.91 1586.02,347.91 1592.02,341.91 1592.02,326.91 1598.02,320.91 1608.02,320.91 1614.02,326.91 1614.02,341.91 1620.02,347.91 1630.02,347.91 1636.02,341.91 1636.02,326.91 1642.02,320.91 1652.02,320.91 1658.02,326.91 1658.02,341.91 1664.02,347.91 1674.02,347.91 1680.02,341.91 1680.02,326.91 1686.02,320.91 1696.02,320.91 1702.02,326.91 1702.02,341.91 1708.02,347.91 1718.02,347.91 1724.02,341.91 1724.02,326.91 1730.02,320.91 2780.12,320.91 2909.02,449.81 2909.02,1072.3 3084.04,1247.32 v1(3084.44,1247.32)
A9: U1.124 U2.8 | length 4050.7
  Top Layer w6: U2.8@698,989.8 698,935 664.91,901.91 664.91,458.54 684.33,439.12 684.33,351.82 701.33,334.82 v1(701.33,319.12) ; v1(3084.81,1286.69) U1.124@3141.22,1286.69
  Bottom Layer w6: v1(701.33,319.12) 720.21,338 873,338 904.17,369.17 1719.76,369.17 1756.02,332.91 1767.02,332.91 1775.02,340.91 1775.02,361.17 1783.02,369.17 1794.76,369.17 1802.02,361.91 1802.02,339.91 1809.02,332.91 1820.76,332.91 1828.02,340.17 1828.02,362.17 1835.02,369.17 1846.76,369.17 1854.02,361.91 1854.02,339.91 1861.02,332.91 2762.42,332.91 2886.02,456.51 2886.02,1087.91 v1(3084.81,1286.69)
A10: U1.129 U2.7 | length 3986.8
  Top Layer w6: v1(664.65,341.8) 664.65,427.8 649.91,442.54 649.91,909.91 679,939 U2.7@679,989.8 ; v1(3083.72,1385.91) 3084.51,1385.12 U1.129@3141.22,1385.12
  Bottom Layer w6: v1(664.65,341.8) 679.84,357 863,357 887.17,381.17 2780.99,381.17 2865.02,465.21 2865.02,1167.2 v1(3083.72,1385.91)